# Altium PCB LimeSDR-XTRX_1v4.PcbDoc (part 7 of 8)
Units mm, origin at the board's own origin, x right, y up, seen from the top; angles counter-clockwise.
Board outline 50.8 x 29.7 mm, 8 copper layers (Top, L2, L3, L4, L5, L6, L7, Bottom), stack 0.925 mm thick; 552 components, 388 nets, 2181 pads, 915 vias.
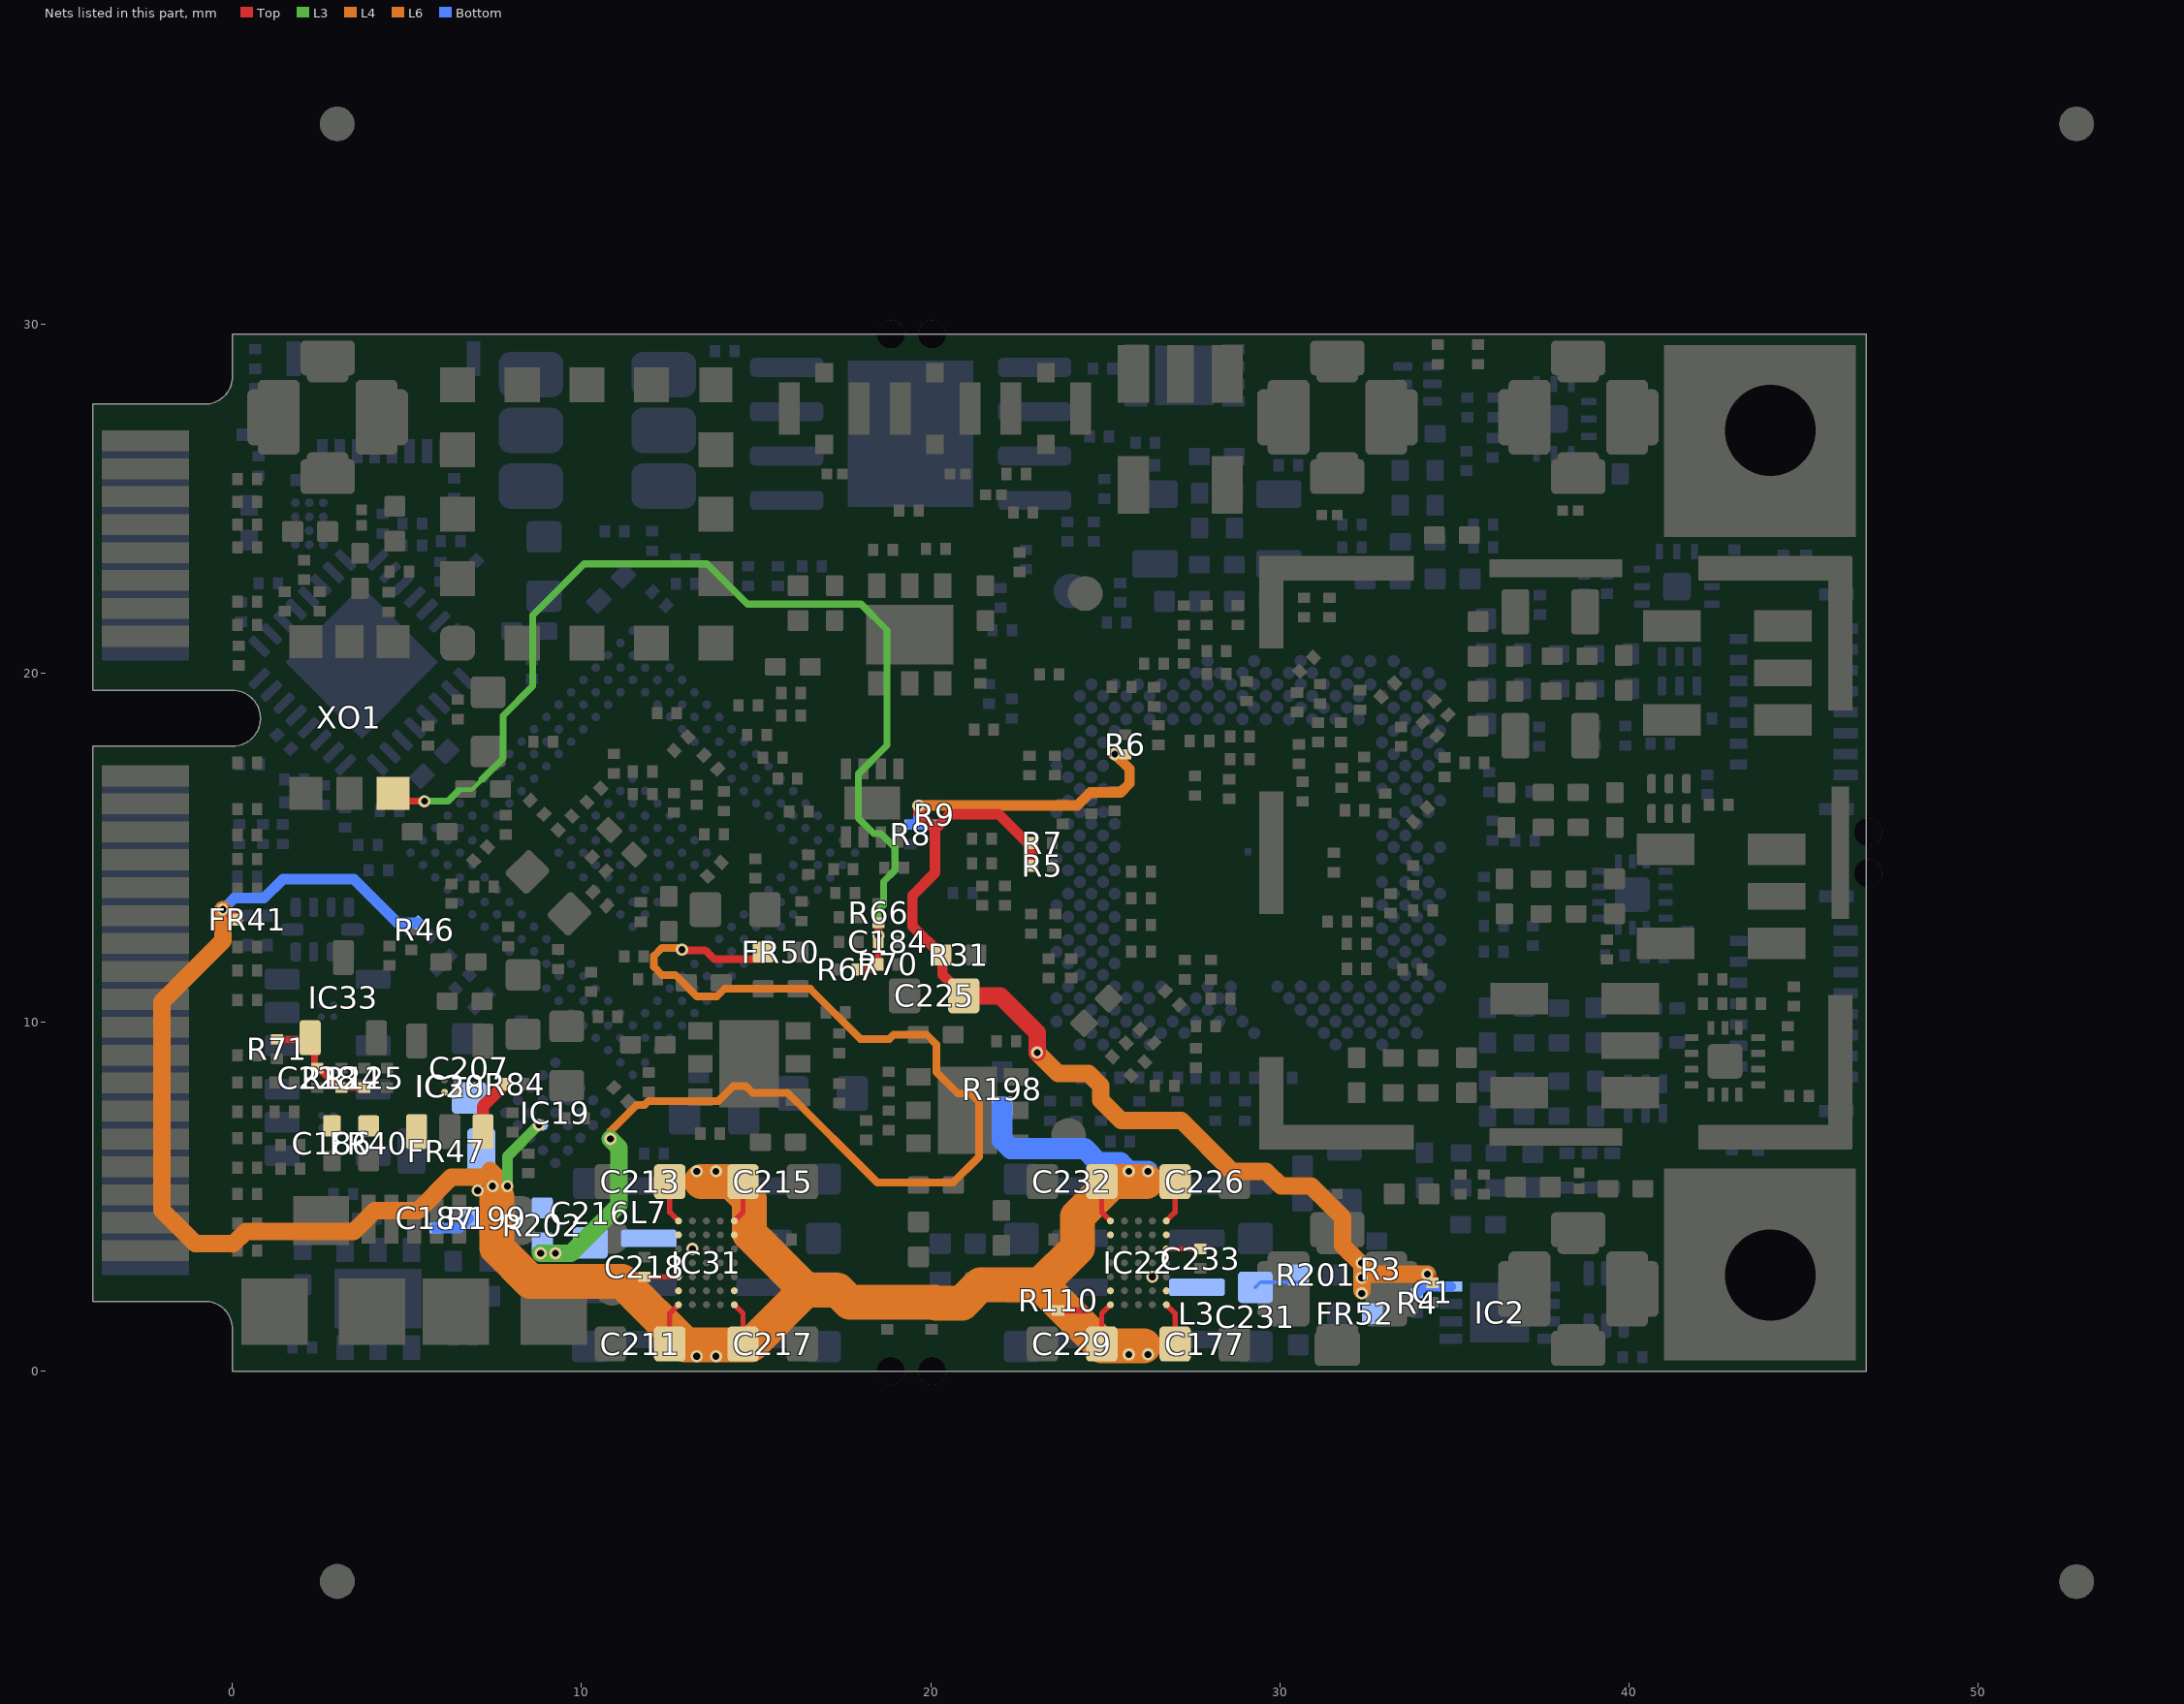
[diagram p13: the nets of this part, all layers, seen from the top]

## Via types
v1: diameter 0.35, hole 0.2, Top to Bottom, tented both sides, 746 vias
v2: diameter 0.35, hole 0.2, L5 to Bottom, tented both sides, 134 vias
v3: diameter 0.4, hole 0.2, Top to Bottom, tented both sides, 26 vias
v4: diameter 0.5, hole 0.2, Top to Bottom, tented both sides, 4 vias
v5: diameter 0.3, hole 0.15, L7 to Bottom, tented both sides, 3 vias
v6: diameter 0.3, hole 0.15, L5 to Bottom, tented both sides, 2 vias

## Nets (pads, with @x,y where several pads share a name; then routed paths per layer and width w, separated by ;. In a path a pad name is that pad's centre, name@x,y a point inside that pad or via, vN(x,y) a via of type N, cw(c..) or ccw(c..) an arc to the next point about the centre after c; other vN are vias at no path point) (continued)
VCC3P3_SW: C231.2 IC22.C2 L3.2 R201.1 | length 1.4
  Bottom w0.1: C231.2@29.3,2.4 29.45,2.55 R201.1@30.65,2.55
  other v1: 26.35,2.7
VCC5P0_USB: C186.2 FR40.2 IC28.A1 IC28.B1 IC30.1 IC30.3 R84.2 | length 1.6
  Top w0.35: IC30.3@7.175,6.862 7.175,7.59 R84.2@7.805,8.22
VCC_CLK: FR50.1 R199.2 R202.2 | length 34.4
  Top w0.22: v1(12.875,12.075) 12.897,12.053 13.547,12.053 13.8,11.8 FR50.1@15.125,11.8
  L3 w0.5: v1(8.825,3.375) v1(9.25,3.375) 9.692,3.375 11.075,4.758 11.075,6.4 v1(10.825,6.65)
  L4 w0.22: v1(10.825,6.65) 10.825,6.875 11.575,7.625 11.8,7.625 11.91,7.735 13.916,7.735 14.341,8.16 14.709,8.16 14.894,7.975 15.894,7.975 18.469,5.4 20.644,5.4 21.385,6.141 21.385,7.715 21.15,7.95 20.781,7.95 20.16,8.571 20.16,9.359 19.879,9.64 18.94,9.64 18.815,9.515 17.985,9.515 16.55,10.95 14.093,10.95 13.87,10.727 13.305,10.727 12.684,11.349 12.302,11.349 12.074,11.577 12.074,11.896 12.299,12.122 12.737,12.122 12.758,12.1 12.85,12.1 v1(12.875,12.075)
VCC_CLK_SW: C216.2 IC31.C2 L7.2 R202.1 | length 0.2
  Bottom w0.1: C216.2@10.075,3.65 C216.2@10.225,3.8
  other v1: 13.175,3.5
VCC_EXT: C177.2 C187.1 C207.2 C211.2 C213.2 C215.2 C217.2 C218.1 C226.2 C229.2 C232.2 C233.1 FR41.1 FR47.2 IC19.C2 IC22.A1 IC22.A5 IC22.B1 IC22.B5 IC22.E1 IC22.F1 IC22.F5 IC22.G1 IC22.G5 IC31.A1 IC31.A5 IC31.B1 IC31.B5 IC31.E1 IC31.F1 IC31.F5 IC31.G1 IC31.G5 R46.2 R110.1 R198.1 R199.1 | length 80.8
  Top w0.15: C218.1@11.8,2.7 IC31.E1@12.775,2.7 ; C211.2@12.525,0.775 12.525,1.65 IC31.G1@12.775,1.9 ; C213.2@12.525,5.425 12.525,4.55 IC31.A1@12.775,4.3 ; IC31.G5@14.375,1.9 14.625,1.65 C217.2@14.625,0.775 ; IC31.A5@14.375,4.3 14.625,4.55 C215.2@14.625,5.425 ; C229.2@24.9,0.775 24.9,1.65 IC22.A5@25.15,1.9 ; C232.2@24.9,5.425 24.9,4.55 IC22.G5@25.15,4.3 ; IC22.A1@26.75,1.9 27,1.65 C177.2@27,0.775 ; IC22.E1@26.75,3.5 C233.1@27.725,3.5 ; IC22.G1@26.75,4.3 27,4.55 C226.2@27,5.425
  Top w0.2: R110.1@23.65,1.74 24.45,1.74
  Top w0.3: v1(-0.275,13.225) -0.28,13.22 -0.161,13.22 FR41.1@0.12,12.939
  L3 w0.3: v1(7.875,5.3) 7.875,6.15 v1(8.775,7.05)
  L4 w1: 7.575,5 7.575,3.529 8.529,2.575 11.15,2.575 12.975,0.75 14.85,0.75 16.425,2.325 ; 13.425,5.425 14.3,5.425 14.8,4.925 14.8,3.95 16.425,2.325 ; 26.1,0.725 24.9,0.725 23.15,2.475 ; 26.175,5.425 25.2,5.425 24.2,4.425 24.2,3.525 23.15,2.475 ; 16.425,2.325 17.325,2.325 17.675,1.975 20.129,1.975 20.154,1.95 20.9,1.95 21.425,2.475 23.15,2.475
  L6 w0.5: v1(-0.275,13.225) -0.275,12.333 -2.025,10.583 -2.025,4.608 -1.067,3.65 0.025,3.65 0.375,4 3.475,4 4.075,4.6 5.317,4.6 6.267,5.55 7.1,5.55 ; 7.375,5.75 7.65,5.475
  Bottom w0.3: v1(-0.275,13.225) 0.05,13.55 0.9,13.55 1.445,14.095 3.472,14.095 4.725,12.842 R46.2@5.293,12.842 ; C187.1@5.813,4.095 6.495,4.095 R199.1@6.775,4.375
  Bottom w0.6: R198.1@22.05,7.575 22.05,6.625 22.3,6.375 24.4,6.375 24.8,5.975 25.425,5.975 v1(25.675,5.725) v1(26.225,5.725)
  other v1: 13.3,0.425 13.85,0.425 25.675,0.475 26.225,0.475 7.025,5.175 7.45,5.3 13.3,5.725 13.85,5.725
VCC_VREF_DAC: C228.1 IC33.1 R71.2 R124.1 R125.1 | length 3.6
  Top w0.2: R71.2@1.275,9.505 1.28,9.5 2.225,9.5 2.35,9.375 2.35,8.73 2.4,8.68 C228.1@2.425,8.68 2.475,8.63 2.523,8.63 3.033,8.12 R124.1@3.125,8.12 R125.1@3.85,8.12 ; R124.1@3.125,8.17 R124.1@3.175,8.12
VDIO_LMS: C1.1 C225.2 FR52.2 IC2.8 R3.2 R4.2 R5.1 R6.2 R7.2 R8.2 R9.2 R31.1 | length 39.4
  Top w0.3: v1(19.65,16.2) 19.65,16 20.123,15.527 ; C225.2@20.95,10.75 20.95,10.8 20.65,11.1 20.6,11.1 20.338,11.362 20.338,11.887 R31.1@20.3,11.925 19.475,12.75 19.475,13.625 20.123,14.273 20.123,15.527 ; R5.1@22.92,14.475 22.92,15.105 22.795,15.105 21.95,15.95 20.546,15.95 20.123,15.527 ; v1(25.27,17.676) 25.277,17.67 R6.2@25.575,17.67 ; v1@34.25,2.775 34.25,2.761 34.35,2.661 34.35,2.53 C1.1@34.375,2.53
  Top w0.5: C225.2@20.95,10.75 21.997,10.75 23.05,9.697 v1(23.05,9.125)
  L4 w0.3: v1(19.65,16.2) 24.2,16.2 24.575,16.575 25.436,16.575 25.695,16.834 25.695,17.251 v1(25.27,17.676)
  L6 w0.5: v1(23.05,9.125) 23.65,8.525 24.525,8.525 24.875,8.175 24.875,7.758 25.458,7.175 27.183,7.175 28.633,5.725 29.608,5.725 30.033,5.3 30.9,5.3 31.8,4.4 31.8,3.6 v2@32.35,3.05 ; v2@32.35,2.3 v2@32.35,2.7 ; v2(32.35,2.675) v2@32.35,3.05 ; v1(34.225,2.775) 32.625,2.775 v2@32.35,3.05
  Bottom w0.3: R8.2@19.4,15.655 R8.2@19.425,15.655 R9.2@20.05,15.655 ; 19.625,15.68 19.625,15.705 ; 19.65,15.705 v1(19.65,16.2) ; R4.2@33.925,2.23 34.125,2.43 34.21,2.43 ; v1@34.21,2.765 34.21,2.43 ; 34.22,2.43 34.21,2.43 ; IC2.8@34.9,2.425 34.21,2.425 34.21,2.43
  other v2: 32.35,2.225 32.35,3.1
XO_VC: C184.1 R66.2 R67.2 R70.1 XO1.1 | length 31.3
  Top w0.2: XO1.1@4.625,16.325 v1(5.5,16.325) ; R67.2@17.88,11.5 18.325,11.5 18.495,11.67 18.495,12.2 18.5,12.205 v1(18.5,12.475) R66.2@18.5,12.845
  L3 w0.13: 6.483,16.637 6.497,16.651 6.851,16.651 7.15,16.95
  L3 w0.2: v1(5.5,16.325) 6.171,16.325 6.483,16.637 ; 7.15,16.95 7.75,17.55 7.75,18.775 8.6,19.625 8.6,21.655 10.07,23.125 13.6,23.125 14.75,21.975 18.005,21.975 18.75,21.23 18.75,17.925 17.925,17.1 17.925,15.845 18.37,15.4 18.575,15.4 18.975,15 18.975,14.35 18.65,14.025 18.65,13.35 18.5,13.2 v1(18.5,12.475)
pads on no net: C21.0 C22.0 C23.0 C24.0 C107.0 C110.0 C113.0 C116.0 C117.0 C118.0 C123.0 C124.0 C125.0 C126.0 C127.0 C132.0 C133.0 C138.0 C139.0 C140.0 C141.0 C142.0 C147.0 C148.0 C153.0 C154.0 C171.0 C175.0 C176.0 C177.0 C178.0 C179.0 C186.0 C202.0 C203.0 C204.0 C205.0 C206.0 C207.0 C209.0 C210.0 C211.0 C212.0 C213.0 C215.0 C216.0 C217.0 C219.0 C220.0 C221.0 C222.0 C224.0 C225.0 C226.0 C229.0 C231.0 C232.0 F1.1 F2.1 F3.1 F4.1 F5.1 F6.1 F7.1 F8.1 FL1.1 FL2.1 FR38.0 FR40.0 FR43.0 FR44.0 FR45.0 FR46.0 FR47.0 FR49.0 FR50.0 FR51.0 FR52.0 FR54.0 IC1.A5 IC1.A21 IC1.AA5 IC1.AB2 IC1.AB4 IC1.AB6 IC1.AC3 IC1.AC5 IC1.AD2 IC1.AE1 IC1.AE5 IC1.AG3 IC1.AG33 IC1.AH2 IC1.AH4 IC1.AH32 IC1.AJ1 IC1.AJ3 IC1.AJ5 IC1.AJ11 IC1.AJ13 IC1.AJ21 IC1.AJ27 IC1.AJ29 IC1.AJ31 IC1.AJ33 IC1.AK2 IC1.AK4 IC1.AK6 IC1.AK8 IC1.AK10 IC1.AK26 IC1.AK28 IC1.AK30 IC1.AK32 IC1.AK34 IC1.AL3 IC1.AL5 IC1.AL7 IC1.AL9 IC1.AL11 IC1.AL27 IC1.AL29 IC1.AL31 IC1.AL33 IC1.AM6 IC1.AM10 IC1.AM28 IC1.AM30 IC1.AM34 IC1.AN27 IC1.AN29 IC1.AN31 IC1.AP30 IC1.AP32 IC1.B2 IC1.B4 IC1.C1 IC1.C3 IC1.C5 IC1.C9 IC1.C13 IC1.C15 IC1.C17 IC1.C19 IC1.C31 IC1.D2 IC1.D4 IC1.D8 IC1.D10 IC1.D12 IC1.D14 IC1.D18 IC1.D30 IC1.D32 IC1.E3 IC1.E9 IC1.E11 IC1.E13 IC1.E15 IC1.E23 IC1.E29 IC1.E31 IC1.F2 IC1.F4 IC1.F10 IC1.F12 IC1.F14 IC1.F16 IC1.F26 IC1.F32 IC1.G1 IC1.G29 IC1.J1 IC1.M2 IC1.M6 IC1.Y6 IC3.1 IC3.8 IC3.10 IC3.11 IC3.12 IC3.14 IC4.1 IC4.8 IC4.10 IC4.11 IC4.12 IC4.14 IC7.A11 IC7.B11 IC7.K18 IC8.1 IC8.7 IC8.11 IC8.12 IC8.20 IC8.22 IC8.24 IC9.3 IC11.11 IC11.12 IC19.E2 IC20.7 IC20.9 IC22.D2 IC25.0 IC25.4 IC27.0 IC27.4 IC30.0 IC30.4 IC31.D2 IC33.0 L1.0 MN1.0 MN2.0 MN3.0 MN4.0 MN5.0 MN6.0 MN7.0 MN8.0 MN9.0 MN10.0 MN11.0 MN12.0 MN13.0 MN14.0 MN15.0 MN16.0 MN17.0 MN18.0 MN19.0 MN20.0 MN21.0 MN22.0 MN23.0 MN24.0 MN25.0 MN26.0 MN27.0 MN28.0 MN29.0 MN30.0 MN31.0 MN32.0 MN33.0 MN34.0 MN35.0 MN36.0 MN37.0 MN38.0 MN39.0 MN40.0 MN41.0 MN42.0 MN43.0 MN44.0 MN45.0 MN46.0 MN47.0 MN48.0 MN49.0 MN50.0 MN51.0 MN52.0 MN53.0 MN54.0 R27.0 R31.0 R198.0 R199.0 R201.0 R202.0 T1.6 T2.6 T3.2 T4.2 T5.5 T5.6 T6.5 T6.6 T7.6 T8.6 T9.2 T10.2 X10.1 X10.6 X10.16 X10.24 X10.28 X10.48 X11.4 XO1.3

## Polygon pours and split planes (outlines as drawn)
GND on Top "GND_L01_P022" (solid, remove dead copper, pour order 22): -4,2 -4,17.9 0,17.9 ccw(c0,18.7) 0,19.5 -4,19.5 -4,27.7 -0.8,27.7 ccw(c-0.8,28.5) 0,28.5 0,29.7 46.8,29.7 46.8,0 0,0 0,1.2 ccw(c-0.8,1.2) -0.8,2
GND on Top "GND_L01_P007" (solid, remove dead copper, pour order 7): -4,2 -4,17.9 0,17.9 ccw(c0,18.7) 0,19.5 -4,19.5 -4,27.7 -0.8,27.7 ccw(c-0.8,28.5) 0,28.5 0,29.7 46.8,29.7 46.8,0 0,0 0,1.2 ccw(c-0.8,1.2) -0.8,2
GND on L3 "GND_L03_P008" (solid, remove dead copper, pour order 8): -4,2 -4,17.9 0,17.9 ccw(c0,18.7) 0,19.5 -4,19.5 -4,27.7 -0.8,27.7 ccw(c-0.8,28.5) 0,28.5 0,29.7 46.8,29.7 46.8,0 0,0 0,1.2 ccw(c-0.8,1.2) -0.8,2
+1.5V on L3 "+1.5V_L03_P006" (solid, remove dead copper, pour order 6): 8.8,1.1 9.525,1.825 11.1,1.825 12.875,3.6 12.875,4.575 13.025,4.725 14.05,4.725 15.85,2.925 17.85,2.925 18.6,3.675 18.6,4.85 18.35,5.1 17.675,5.1 17.3,4.725 16.75,4.725 14.8,6.675 12.8,6.675 11.5,5.375 11.5,4.6 9.925,3.025 7.8,3.025 7.175,2.4 7.175,1.45 7.525,1.1
VCC1P0_INT on L3 "VCC1P0_INT_L03_P005" (solid, remove dead copper, pour order 5): 19.5,0.525 19.375,0.65 19.375,1.1 20.975,2.7 20.975,3.35 13.75,10.575 12.4,10.575 10.15,12.825 10.15,14.24 12.085,16.175 13.875,16.175 18.925,11.125 22.575,7.475 22.575,2 21.1,0.525
VCC1P0_INT on L3 "VCC1P0_INT_L03_P004" (solid, remove dead copper, pour order 4): 20.025,0.75
GND on L6 "GND_L06_P024" (solid, remove dead copper, pour order 24): -4,2 -4,17.9 0,17.9 ccw(c0,18.7) 0,19.5 -4,19.5 -4,27.7 -0.8,27.7 ccw(c-0.8,28.5) 0,28.5 0,29.7 46.8,29.7 46.8,0 0,0 0,1.2 ccw(c-0.8,1.2) -0.8,2
+2.05V on L6 "+2.05V_L06_P000" (solid, remove dead copper, pour order 0): 15.125,0.225 16.9,2 22.625,2 25.45,4.825 26.55,4.825 30.775,0.6 34.384,0.6 34.475,0.691 34.475,1.7 30.175,6 28.275,6 27.075,7.2 23.875,7.2 21,4.325 16.338,4.325 16.094,4.081 14.45,2.437 9.237,2.437 8.125,1.325 8.125,0.386 8.275,0.225
GND on L4 "GND_L04_P016" (solid, remove dead copper, pour order 16): -4,2 -4,17.9 0,17.9 ccw(c0,18.7) 0,19.5 -4,19.5 -4,27.7 -0.8,27.7 ccw(c-0.8,28.5) 0,28.5 0,29.7 46.8,29.7 46.8,0 0,0 0,1.2 ccw(c-0.8,1.2) -0.8,2
VCC1P2_MGTAVTT on L4 "VCC1P2_MGTAVTT_L04_P002" (solid, remove dead copper, pour order 2): 21.15,6.15 21.15,7.4 18,10.55 12.675,10.55 11.194,12.031 11.194,13.708 9.944,14.958 6.587,14.958 5.275,13.646 5.275,12.775 9.75,8.3 11.3,8.3 15.875,8.3 18.525,5.65 20.65,5.65
GND on L2 "GND_L02_P010" (solid, remove dead copper, pour order 10): -4,2 -4,17.9 0,17.9 ccw(c0,18.7) 0,19.5 -4,19.5 -4,27.7 -0.8,27.7 ccw(c-0.8,28.5) 0,28.5 0,29.7 46.8,29.7 46.8,0 0,0 0,1.2 ccw(c-0.8,1.2) -0.8,2
GND on L7 "GND_L07_P012" (solid, remove dead copper, pour order 12): -4,2 -4,17.9 0,17.9 ccw(c0,18.7) 0,19.5 -4,19.5 -4,27.7 -0.8,27.7 ccw(c-0.8,28.5) 0,28.5 0,29.7 46.8,29.7 46.8,0 0,0 0,1.2 ccw(c-0.8,1.2) -0.8,2
GND on L5 "GND_L05_P014" (solid, remove dead copper, pour order 14): -4,2 -4,17.9 0,17.9 ccw(c0,18.7) 0,19.5 -4,19.5 -4,27.7 -0.8,27.7 ccw(c-0.8,28.5) 0,28.5 0,29.7 46.8,29.7 46.8,0 0,0 0,1.2 ccw(c-0.8,1.2) -0.8,2
GND on Bottom "GND_L08_P018" (solid, remove dead copper, pour order 18): -4,2 -4,17.9 0,17.9 ccw(c0,18.7) 0,19.5 -4,19.5 -4,27.7 -0.8,27.7 ccw(c-0.8,28.5) 0,28.5 0,29.7 46.8,29.7 46.8,0 0,0 0,1.2 ccw(c-0.8,1.2) -0.8,2

## Other copper
Top:
  pour cut-out: 30.425,5.4 30.425,2.825 32.875,2.825 32.875,4.15 cw(c33.2,4.15) 33.2,4.475 33.525,4.475 ccw(c33.525,4.725) 33.775,4.725 33.775,5.425 ccw(c33.475,5.425) 33.475,5.725 30.75,5.725 ccw(c30.75,5.4)
  pour cut-out: 43.25,8.3 44.75,8.3 ccw(c44.75,9.325) 45.775,9.325 45.775,15.725 ccw(c44.275,15.725) 44.275,17.225 41.3,17.225 41.3,16.375 44,16.375 cw(c44,15.325) 45.05,15.325 45.05,9.775 cw(c44.75,9.775) 44.75,9.475 43.25,9.475
  pour cut-out: 39.8,2.95 39.8,4.075 cw(c40.275,4.075) 40.275,4.55 40.55,4.55 ccw(c40.55,5.975) 41.975,5.975 41.975,7.125 cw(c42.05,7.125) 42.05,7.2 42.75,7.2 ccw(c42.75,7.5) 43.05,7.5 43.05,8.375 42.375,8.375 cw(c42.375,8.5) 42.25,8.5 42.25,9.225 ccw(c42.025,9.225) 42.025,9.45 41.2,9.45 ccw(c41.2,9.125) 40.875,9.125 40.875,7.372 cw(c40.278,7.372) 40.7,6.95 40.064,6.314 cw(c38.763,7.616) 38.763,5.775 37.2,5.775 ccw(c37.2,5.625) 37.05,5.625 37.05,2.95
  pour cut-out: 29.675,11.4 29.675,10.675 ccw(c30.025,10.675) 30.025,10.325 cw(c30.025,9) 31.35,9 31.35,8.05 ccw(c32,8.05) 32,7.4 38.025,7.4 38.025,11.375 36.425,11.375 cw(c36.425,11.7) 36.1,11.7 36.1,12.3 cw(c36.375,12.3) 36.375,12.575 39.45,12.575 cw(c39.45,12.3) 39.725,12.3 39.725,12 ccw(c40.2,12) 40.2,11.525 45.25,11.525 45.25,13.825 43.025,13.825 cw(c43.025,14.5) 42.35,14.5 42.35,15.2 ccw(c42,15.2) 42,15.55 41,15.55 41,17.2 36.275,17.2 ccw(c36.275,15.65) 34.725,15.65 34.725,11.625 cw(c34.4,11.625) 34.4,11.3 31.741,11.3 cw(c31.741,11.641) 31.5,11.4 ccw(c31.198,11.098) 31.198,11.525 29.8,11.525 ccw(c29.8,11.4)
  pour cut-out: 31.325,20.575 31.325,20.05 ccw(c31.725,20.05) 31.725,19.65 32.049,19.65 ccw(c32.049,21.101) 33.075,20.075 33.243,20.243 cw(c33.725,19.761) 33.725,20.443 33.782,20.443 cw(c33.782,20.225) 34,20.225 ccw(c35.05,20.225) 35.05,19.175 38.787,19.175 cw(c38.787,18.312) 39.65,18.312 ccw(c40.162,18.312) 40.162,17.8 41.85,17.8 ccw(c41.85,18.425) 42.475,18.425 42.475,20 cw(c43.15,20) 43.15,20.675 45.625,20.675 45.625,23.071 41.875,23.071 41.875,23.35 ccw(c41.55,23.35) 41.55,23.675 41.35,23.675 ccw(c41.35,23.225) 40.9,23.225 40.9,22.8 cw(c40.375,22.8) 40.375,22.275 ccw(c40.375,21.9) 40,21.9 40,21.675 cw(c39.325,21.675) 39.325,21 35.5,21 cw(c35.5,21.175) 35.325,21.175 ccw(c34.825,21.175) 34.825,21.675 33.386,21.675 ccw(c33.386,20.139) 32.3,21.225 31.991,20.916 cw(c31.65,21.258) 31.65,20.775 31.525,20.775 ccw(c31.525,20.575)
  pour cut-out: 31.35,24.25 ccw(c32.1,24.25) 32.1,23.5 39.65,23.5 ccw(c39.65,23.8) 39.95,23.8 39.95,26.9 37.225,26.9 37.225,25 38.05,25 cw(c38.05,24.8) 38.25,24.8 38.25,24.425 cw(c38.15,24.425) 38.15,24.325 32.925,24.325 cw(c32.925,24.6) 32.65,24.6 32.65,26.825 30.55,26.825 30.55,24.9 31.125,24.9 cw(c31.125,24.675) 31.35,24.675
  pour cut-out: 24.9,27.075 24.9,24.325 ccw(c25.4,24.325) 25.4,23.825 28.975,23.825 ccw(c28.975,24.2) 29.35,24.2 29.35,28.25 cw(c29.95,28.25) 29.95,28.85 30.625,28.85 ccw(c30.625,29.1) 30.875,29.1 30.875,29.4 ccw(c30.575,29.4) 30.575,29.7 27.825,29.7 ccw(c27.825,29.4) 27.525,29.4 27.525,27.775 cw(c27.425,27.775) 27.425,27.675 25.5,27.675 ccw(c25.5,27.075)
  pour cut-out: 3.4,24.375 5.425,24.375 cw(c5.425,24.15) 5.65,24.15 ccw(c6.05,24.15) 6.05,23.75 7.05,23.75 7.05,25.175 4,25.175 cw(c4,25.45) 3.725,25.45 3.725,26.975 1.675,26.975 1.675,25.55 ccw(c2.85,25.55) 2.85,24.375
  region net GND: 37.691,24.325 37.691,24.523 37.973,24.523 38.225,24.775 38.225,24.5 38.05,24.325
  region net GND: 7.725,10.1 7.65,10.175 6.725,10.175 6.65,10.25 6.65,10.95 6.825,11.125 7.434,11.125 7.575,10.984 7.725,10.984
  region net GND: 12.027,17.248 12.715,16.56 12.47,16.56 12.174,16.264 12.027,16.411
  region net GND: 11.275,4.825 10.025,4.825 9.8,5.05 9.8,5.2 9.725,5.275 9.35,5.275 9.2,5.425 9.2,5.818 9.307,5.925 10.775,5.925 11.275,5.425
  region net GND: 23.65,0.175 22.475,0.175 22.2,0.45 22.2,1.375 22.35,1.525 23.219,1.525 23.369,1.375 23.65,1.375
  region net GND: 22.975,4.3 23.178,4.503 23.4,4.503 23.4,4.575 23.65,4.825 23.65,5.925 22.825,5.925 21.675,4.775 21.675,4.3
  region net GND: 15.875,4.825 17.4,4.825 17.4,5.775 17.15,6.025 15.875,6.025
  region net GND: 18.14,23.325
  region net GND: 17.525,23.25 17.75,23.025 18.45,23.025 18.6,23.175 18.6,23.625 18.45,23.775 17.675,23.775 17.525,23.625
  region net GND: 28.25,0.175 29.45,0.175 29.875,0.6 29.875,1.425 29.6,1.7 28.991,1.7 28.7,1.409 28.7,0.775 28.25,0.775
  region net GND: 15.875,0.175 16.95,0.175 17.5,0.725 17.5,1.25 17.3,1.45 15.95,1.45 15.875,1.375
  region net VCC_EXT: 26.65,3.825 26.65,3.5 27.75,3.5 27.9,3.65 27.9,3.825 27.625,4.1 26.95,4.1 26.75,3.9
  region net VCC_EXT: 12.875,2.375 12.875,2.7 11.775,2.7 11.625,2.55 11.625,2.375 11.9,2.1 12.575,2.1 12.775,2.3
  region net NetC203_2: 17.95,6.775 17.95,6.4 19.088,5.262 19.088,4.188 19.3,3.975 19.95,3.975 19.95,6.35 19.675,6.625 18.575,6.625 18.425,6.775
  region net VCC1P4_LMS: 18.3,9.525 18,9.225 18,7.825 17.95,7.775 17.95,7.075 18,7.025 18.325,7.025 18.525,7.225 18.525,8.225 18.8,8.5 18.8,9.025